# Altium PCB Mother.PcbDoc
Units mm, origin at the board's own origin, x right, y up, seen from the top; angles counter-clockwise.
Board outline 134.57 x 79.98 mm, 2 copper layers (Top Layer, Bottom Layer); 111 components, 79 nets, 408 pads, 45 vias.
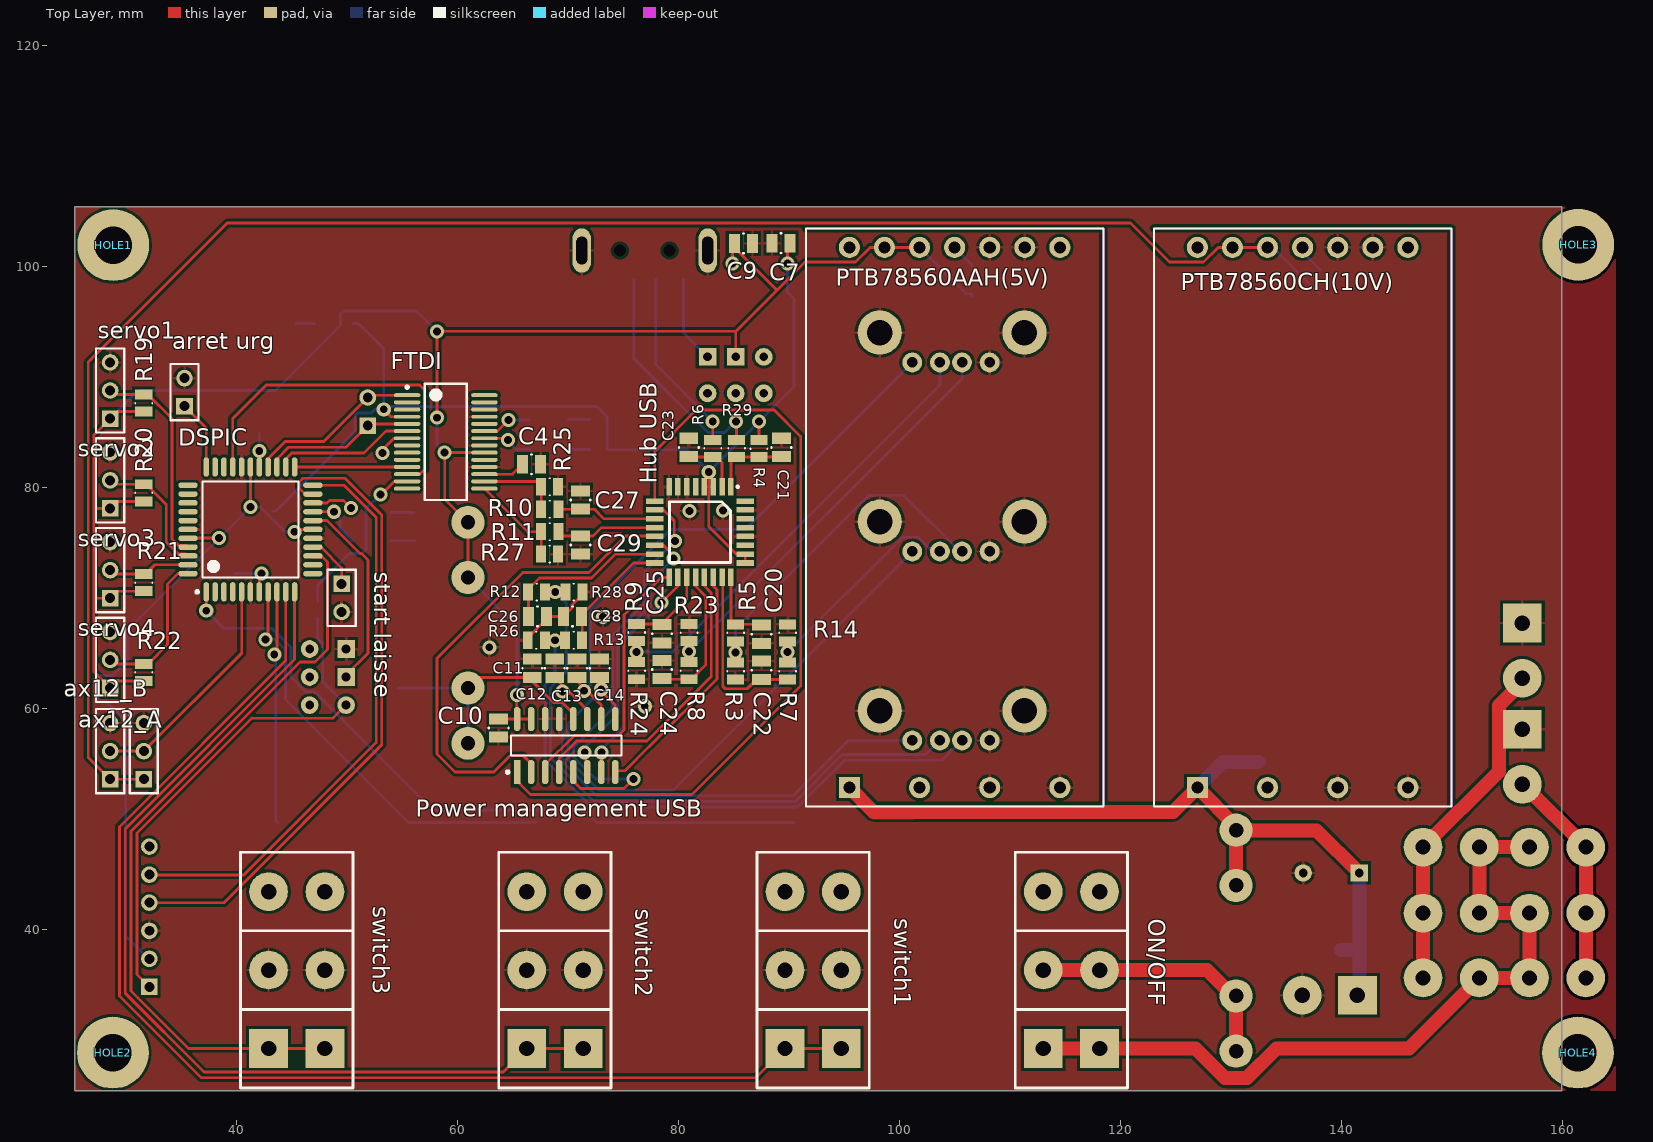
[diagram p0: Top Layer view]
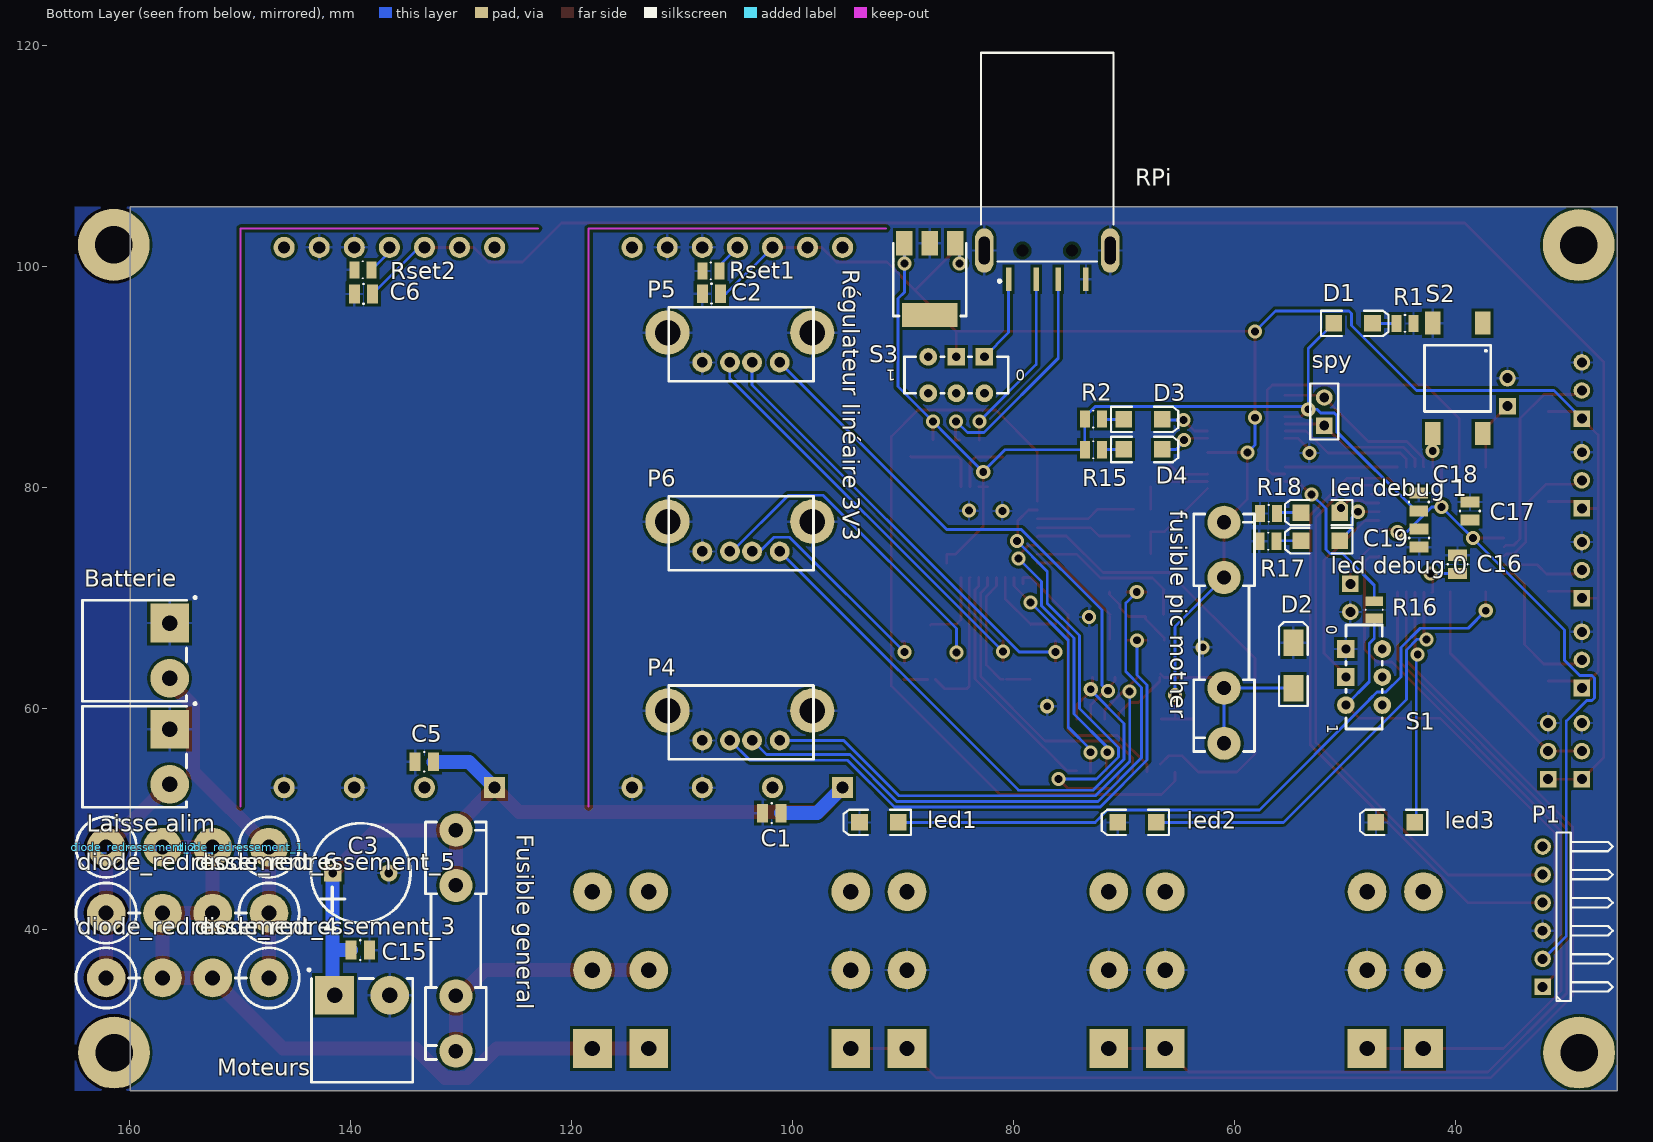
[diagram p1: Bottom Layer view, seen from below]

## Layer stack, top to bottom
Top Layer: signal copper 0.0356
Dielectric: core 0.32, FR-4, Dk 4.8
Bottom Layer: signal copper 0.0356

## Board outline
25.4,25.4 25.4,105.385 159.969,105.385 159.969,25.4

## Design rules (kind name [scope] priority, off if disabled: settings)
Clearance [All] p1: gap=0.254
Height [All] p1: minheight=0 maxheight=254 prefheight=12.7
HoleSize [All] p1: absolutevalues=TRUE maxlimit=3.556 minlimit=0.025 maxpercent=80.000 minpercent=20.000
MinimumSolderMaskSliver [All] p1: minsoldermaskwidth=0.025
PolygonConnect [All] p1: connectstyle=Relief reliefconductorwidth=0.254 reliefentries=4 polygonreliefangle="90 Angle"
RoutingVias [All] p1: holewidth=0.711 width=1.27 viastyle="Through Hole" minholewidth=0.711 minwidth=1.27 maxholewidth=0.711 maxwidth=1.27
SilkToSilkClearance [All] p1: silktosilkclearance=0.025
SilkscreenOverComponentPads [All] p1: minsilkscreentomaskgap=0.025
SolderMaskExpansion [All] p1: expansion=0.102
Width [All] p1: maxlimit=2.54 minlimit=0.254 preferedwidth=0.254 minimp=50.000000 maximp=50.000000 favimp=50.000000
23 further rules are at their usual default settings.

## Classes and differential pairs
component class U_mother1-pic: "arret urg" ax12_A ax12_B C4 C11 C16 C17 C18 C19 D2 D3 D4 DSPIC FTDI "fusible pic mother" led1 led2 led3 "led debug 0" "led debug 1" P1 R2 R15 R16 R17 R18 R19 R20 R21 R22 S1 S2 servo1 servo2 servo3 servo4 spy "start laisse" switch1 switch2 switch3
component class mother1: Batterie C1 C2 C3 C5 C6 C7 C9 C10 C12 C13 C14 C15 C20 C21 C22 C23 C24 C25 C26 C27 C28 C29 D1 diode_redressement_1 diode_redressement_2 diode_redressement_3 diode_redressement_4 diode_redressement_5 diode_redressement_6 "Fusible general" HOLE1 HOLE2 HOLE3 HOLE4 "Hub USB" "Laisse alim" Moteurs ON/OFF P4 P5 P6 "Power management USB" PTB78560AAH(5V) PTB78560CH(10V) R1 R3 R4 R5 R6 R7 R8 R9 R10 R11 R12 R13 R14 R23 R24 R25 R26 R27 R28 R29 RPi Rset1 Rset2 "Régulateur linéaire 3V3" S3

## Components (designator, comment, footprint, x,y, rotation, side; value= is the part's Value field where it differs from the comment)
"arret urg" "Header 2" HDR1X2 35.331,87.351 r90 top
ax12_A "Header 3" HDR1X3 28.6,53.594 r90 top
ax12_B "Header 3" HDR1X3 31.648,53.594 r90 top
Batterie "Bornier" "Bornier male coude 2 voies" 156.413,65.227 r270 bottom
C1 "CAP" C0805C 102.743,50.521 r180 bottom
C2 "CAP" C0805C 106.553,97.536 r0 bottom
C3 "CAP POL" RB.2/.4 141.656,45.11 r0 bottom
C4 "CAP" C0805C 65.913,82.093 r0 top
C5 "CAP" C0805C 134.188,55.169 r180 bottom
C6 "CAP" C0805C 138.049,97.511 r0 bottom
C7 "CAP" C0805C 88.494,102.108 r0 top
C9 "CAP" C0805C 85.09,102.083 r0 top
C10 "CAP" C0805C 63.754,59.055 r270 top
C11 "CAP" C0805C 66.802,64.465 r270 top
C12 "CAP" C0805C 68.834,64.465 r270 top
C13 "CAP" C0805C 70.866,64.465 r270 top
C14 "CAP" C0805C 72.898,64.465 r270 top
C15 "CAP" C0805C 138.328,38.125 r0 bottom
C16 "CAP" C0805C 39.853,73.863 r270 bottom
C17 "CAP" C0805C 38.735,78.689 r270 bottom
C18 "CAP" C0805C 43.358,79.502 r270 bottom
C19 "CAP" C0805C 43.332,74.6 r90 bottom
C20 "CAP" C0805C 87.555,67.538 r270 top
C21 "CAP" C0805C 89.357,82.801 r90 top
C22 "CAP" C0805C 87.555,62.636 r90 top
C23 "CAP" C0805C 80.975,82.801 r90 top
C24 "CAP" C0805C 78.548,64.339 r270 top
C25 "CAP" C0805C 78.548,65.941 r90 top
C26 "CAP" C0805C 68.097,68.326 r180 top
C27 "CAP" C0805C 71.171,78.029 r90 top
C28 "CAP" C0805C 69.621,68.326 r0 top
C29 "CAP" C0805C 71.171,73.965 r90 top
D1 "LED2" LED1206G 49.301,94.844 r180 bottom
D2 "5.6V" DSO-C2/X1.8 54.712,63.881 r90 bottom
D3 "LED" LED1206Y 68.326,86.157 r180 bottom
D4 "LED" LED1206Y 68.326,83.439 r180 bottom
diode_redressement_1 "Diode" "Axial1.3 Vert" 147.422,47.447 r0 bottom
diode_redressement_2 "Diode" "Axial1.3 Vert" 162.154,47.447 r180 bottom
diode_redressement_3 "Diode" "Axial1.3 Vert" 147.422,35.611 r0 bottom
diode_redressement_4 "Diode" "Axial1.3 Vert" 162.154,35.611 r180 bottom
diode_redressement_5 "Diode" "Axial1.3 Vert" 147.422,41.478 r0 bottom
diode_redressement_6 "Diode" "Axial1.3 Vert" 162.154,41.478 r180 bottom
DSPIC "DSPIC33FJ64MC804-I/PT" TQFP-PT44_N 41.3,76.2 r90 top
FTDI "FT232RL" SSOP-28_M 58.979,84.125 r0 top
"Fusible general" "Fuse" "Fuse Holder 5x20mm" 130.505,28.981 r90 bottom
"fusible pic mother" "Fuse" "Fuse Holder 5x20mm" 60.985,56.845 r90 bottom
HOLE1 "Hole" SCREW 28.88,101.93 r0 top
HOLE2 "Hole" SCREW 28.854,28.854 r0 top
HOLE3 "Hole" SCREW 161.468,101.956 r90 top
HOLE4 "Hole" SCREW 161.442,28.854 r180 top
"Hub USB" "TUSB2046BVF" TUSB2046BVF 84.785,80.061 r270 top
"Laisse alim" "Bornier" "Bornier male coude 2 voies" 156.413,55.626 r270 bottom
led1 "LED" LED1206G 92.227,49.682 r0 bottom
led2 "LED" LED1206G 68.859,49.682 r0 bottom
led3 "LED" LED1206G 45.491,49.682 r0 bottom
"led debug 0" "LED" LED1206R 52.273,75.184 r0 bottom
"led debug 1" "LED" LED1206R 52.273,77.724 r0 bottom
Moteurs "Bornier" "Bornier male coude 2 voies" 138.989,34.036 r180 bottom
ON/OFF "Switch slide 2 pos" "Switch sur cosses 5.08mm" 115.595,36.322 r0 top
P1 "PICkit" HDR1X6H 32.156,34.798 r90 bottom
P4 "USB" "USB SM female vertical" 104.699,57.099 r0 bottom
P5 "USB" "USB SM female vertical" 104.699,91.313 r0 bottom
P6 "USB" "USB SM female vertical" 104.699,74.206 r0 bottom
"Power management USB" "TPS2044" TPS2044 69.875,56.642 r90 top
PTB78560AAH(5V) "PTB78560x" PTB78560x 95.504,52.832 r90 top
PTB78560CH(10V) "PTB78560x" PTB78560x 127,52.832 r90 top
R1 "RES" C0805R 43.84,94.844 r0 bottom
R2 "RES" C0805R 72.034,86.182 r0 bottom
R3 "RES" C0805R 85.202,62.613 r90 top
R4 "RES" C0805R 87.325,82.751 r90 top
R5 "RES" C0805R 85.202,67.615 r270 top
R6 "RES" C0805R 83.134,84.301 r270 top
R7 "RES" C0805R 89.916,62.611 r90 top
R8 "RES" C0805R 81.001,62.639 r90 top
R9 "RES" C0805R 76.251,67.641 r270 top
R10 "RES" C0805R 67.615,78.029 r0 top
R11 "RES" C0805R 67.615,75.997 r0 top
R12 "RES" C0805R 67.973,70.536 r180 top
R13 "RES" C0805R 69.771,66.167 r0 top
R14 "RES" C0805R 89.916,67.613 r270 top
R15 "RES" C0805R 72.034,83.414 r0 bottom
R16 "RES" C0805R 47.396,69.698 r270 bottom
R17 "RES" C0805R 56.236,75.133 r0 bottom
R18 "RES" C0805R 56.185,77.648 r0 bottom
R19 "RES" C0805R 31.648,86.868 r90 top
R20 "RES" C0805R 31.648,78.74 r90 top
R21 "RES" C0805R 31.648,70.612 r90 top
R22 "RES" C0805R 31.648,62.484 r90 top
R23 "RES" C0805R 81.001,66.091 r90 top
R24 "RES" C0805R 76.251,64.189 r270 top
R25 "RES" C0805R 69.139,80.061 r180 top
R26 "RES" C0805R 66.397,66.167 r0 top
R27 "RES" C0805R 69.139,73.965 r180 top
R28 "RES" C0805R 71.347,70.536 r180 top
R29 "RES" C0805R 85.293,84.301 r270 top
RPi "USB" "USB SM2.5 Male" 76.987,104.14 r90 bottom
Rset1 "RES" C0805R 108.204,99.593 r180 bottom
Rset2 "RES" C0805R 139.7,99.695 r180 bottom
"Régulateur linéaire 3V3" "LM2937IMP-3.3" SOT223 85.316,102.108 r0 bottom
S1 "SW-DPDT/Reset" MCLSS22 49.962,62.84 r270 bottom
S2 "SPST-NO" SPST-NO 37.592,94.869 r0 bottom
S3 "SW-DPDT/Reset" MCLSS22 85.217,91.821 r0 bottom
servo1 "Header 3" HDR1X3 28.6,86.233 r90 top
servo2 "Header 3" HDR1X3 28.6,78.105 r90 top
servo3 "Header 3" HDR1X3 28.6,69.977 r90 top
servo4 "Header 3" HDR1X3 28.6,61.849 r90 top
spy "Header 2" HDR1X2 51.918,85.598 r90 bottom
"start laisse" "Header 2" HDR1X2 49.555,71.272 r270 top
switch1 "Switch slide 2 pos" "Switch sur cosses 5.08mm" 92.227,36.322 r0 top
switch2 "Switch slide 2 pos" "Switch sur cosses 5.08mm" 68.859,36.322 r0 top
switch3 "Switch slide 2 pos" "Switch sur cosses 5.08mm" 45.491,36.322 r0 top

## Footprints (in the part's own frame and the unit in brackets; to place one, negate y for a bottom-side part, rotate by r counter-clockwise, add the part's x,y. Pads: shape width x height; smd on the part's side, far side on the other; paste and mask are expansions set on the pad)
"Axial1.3 Vert" [mm] "Vertical Axial Lead ; Diode : DO-201AD ; 5mm radius, 1.25mm leads"
  round 3.5 hole 1.35: 1(0,0) 2(5.1,0)
  silkscreen extent -2.74,-2.74 3.05,2.74, body extent -2.8,-2.8 5.74,2.8, height 15.69
"Bornier male coude 2 voies" [mm] "Bornier male coude 2 voies 12A. Pas 5mm (model : CTB9350/2A) -- 3D FAUSSE"
  rect 3.5x3.5 hole 1.4: 1(-2.5,0)
  round 3.5 hole 1.4: 2(2.5,0)
  silkscreen extent -4.9,-7.87 4.57,2.41, body extent -4.2,-7.93 4.2,1.27, height 7.25
C0805C [mm]
  rect 1x1.7 smd: 1(0,0) 2(1.65,0)
  silkscreen extent 0.8,-0.89 0.85,0.89, body extent -0.21,-0.61 1.79,0.64, height 0.78
C0805R [mm]
  rect 0.9x1.55 smd: 1(0,0) 2(1.55,0)
  silkscreen extent 0.73,-0.76 0.81,0.76, body extent -0.24,-0.62 1.76,0.63, height 0.78
DSO-C2/X1.8 [mm] "Diode; DO-214-AC/SMA; 2 C-Bend Leads; Body 5 x 2.7 mm, inc. leads (LxW)"
  rect 2.4x1.8 smd: A(2.05,0) K(-2.05,0)
  silkscreen extent -3.65,-1.3 3.95,1.3, body extent -2.74,-1.4 2.74,1.4, height 2.28
"Fuse Holder 5x20mm" [mm] "Schurter Fuse Holder 0751.0110"
  round 3 hole 1.3: 1(0,0) 1(5,0) 2(15,0) 2(20,0)
  silkscreen extent -0.75,-2.75 20.75,2.75, body extent -0.51,-3.1 20.58,3.1, height 9.86
HDR1X2 [mm] "Connector; Header; 2 Position"
  rect 1.5x1.5 hole 0.9: 1(0,0)
  round 1.5 hole 0.9: 2(2.54,0)
  silkscreen extent -1.27,-1.27 3.81,1.27
HDR1X3 [mm] "Connector; Header; 3 Position"
  rect 1.5x1.5 hole 0.9: 1(0,0)
  round 1.5 hole 0.9: 2(2.54,0) 3(5.08,0)
  silkscreen extent -1.27,-1.27 6.35,1.27
HDR1X6H [mm] "Connector; Header; 6 Position; Right Angle"
  rect 1.5x1.5 hole 0.9: 1(0,0)
  round 1.5 hole 0.9: 2(2.54,0) 3(5.08,0) 4(7.62,0) 5(10.16,0) 6(12.7,0)
  silkscreen extent -1.27,-6.35 13.97,-1.27, body extent -1.17,-5.85 13.87,1.25, height 5.42
LED1206G [mm] "SMT LED; 2 Flat Leads; 3.2X1.6X1.1"
  rect 1.5x1.5 smd: 1(-1.75,0) 2(1.75,0)
  silkscreen extent -2.9,-1.15 3.2,1.15, body extent -1.6,-0.8 1.6,0.8, height 1.11
LED1206R [mm] "SMT LED; 2 Flat Leads; 3.2X1.6X1.1"
  rect 1.5x1.5 smd: 1(-1.75,0) 2(1.75,0)
  silkscreen extent -2.9,-1.15 3.2,1.15, body extent -1.6,-0.8 1.6,0.8, height 1.11
LED1206Y [mm] "SMT LED; 2 Flat Leads; 3.2X1.6X1.1"
  rect 1.5x1.5 smd: 1(-1.75,0) 2(1.75,0)
  silkscreen extent -2.9,-1.15 3.2,1.15, body extent -1.6,-0.8 1.6,0.8, height 1.11
MCLSS22 [mm] "Slide Switch DPDT"
  rect 1.6x1.6 hole 0.8: 1(0,0) 2(-2.54,0)
  round 1.6 hole 0.8: 3(2.54,0) 4(0,3.3) 5(-2.54,3.3) 6(2.54,3.3)
  silkscreen extent -4.7,0 4.7,3.3, body extent -4.7,-2 4.7,3.3, height 3.5
PTB78560x [mm] "PTB78560x Texas Instruments Regulator"
  rect 1.905x1.905 hole 1.1: 1(0,0)
  round 1.905 hole 1.1: 2(0,-6.35) 3(0,-12.7) 4(0,-19.05) 5(48.895,-19.05) 6(48.895,-15.875) 7(48.895,-12.7) 8(48.895,-9.525) 9(48.895,-6.35) 10(48.895,-3.175) 11(48.895,0)
  Keep-Out Layer lines w0.2: 50.609,3.937 50.609,-22.987 -1.714,-22.987
  silkscreen extent -1.71,-22.99 50.61,3.94, body extent -1.71,-22.99 50.61,3.94, height 10
RB.2/.4 [mil]
  rect 62x62 hole 31.5: 1(0,0)
  round 62 hole 31.5: 2(-200,0)
  silkscreen extent -277,-177 77,177, body extent -298,-194 95,200, height 650
SCREW [mm] "Mounting Hole M3"
  round 6.5 hole 3.4: 1(0,0)
  body extent -2.89,-2.52 2.89,2.52, height 10
SOT223 [mm]
  rect 1.5x2.2 smd: 1(0,0) 2(2.3,0) 3(4.6,0)
  rect 5x2.2 smd: ""(2.3,6.5)
  silkscreen extent -1,0 5.6,6.6, body extent -0.95,-0.2 5.55,6.8, height 1.64
SPST-NO [mm] "Tactile Switch SPST-NO 6x6mm"
  rect 1.4x2.1 smd: 1(0,0) 2(4.5,0) 3(4.5,10) 4(0,10)
  silkscreen extent -0.75,2 5.25,8, body extent -0.75,0.93 5.25,9.08, height 5
SSOP-28_M [mm] "SOP, 28-Leads, Body 10.2x5.3mm, Pitch 0.65mm, IPC Low Density"
  oval 2.4x0.35 smd: 1(-3.5,4.225) 2(-3.5,3.575) 3(-3.5,2.925) 4(-3.5,2.275) 5(-3.5,1.625) 6(-3.5,0.975) 7(-3.5,0.325) 8(-3.5,-0.325) 9(-3.5,-0.975) 10(-3.5,-1.625) 11(-3.5,-2.275) 12(-3.5,-2.925) 13(-3.5,-3.575) 14(-3.5,-4.225) 15(3.5,-4.225) 16(3.5,-3.575) 17(3.5,-2.925) 18(3.5,-2.275) 19(3.5,-1.625) 20(3.5,-0.975) 21(3.5,-0.325) 22(3.5,0.325) 23(3.5,0.975) 24(3.5,1.625) 25(3.5,2.275) 26(3.5,2.925) 27(3.5,3.575) 28(3.5,4.225)
  silkscreen extent -3.62,-5.25 1.9,5.25, body extent -3.91,-5.1 3.91,5.1, height 1.98
"Switch sur cosses 5.08mm" [mm] "Crimp Faston CI 5.08mm model : AMP - 1217080-1"
  rect 3.5x3.5 hole 1.4: 1(-2.55,-7.1) 1(2.55,-7.1)
  round 3.5 hole 1.4: 2(-2.55,7.1) 2(2.55,7.1) 3(-2.55,0) 3(2.55,0)
  silkscreen extent -5.08,-10.67 5.08,10.67, body extent -11.5,-11 11.5,12, height 29.34
TPS2044 [mm] "Power distribution USB"
  rect 2.2x0.6 smd: 1(-2.4,4.445)
  oval 2.2x0.6 smd: 2(-2.4,3.175) 3(-2.4,1.905) 4(-2.4,0.635) 5(-2.4,-0.635) 6(-2.4,-1.905) 7(-2.4,-3.175) 8(-2.4,-4.445) 9(2.4,-4.445) 10(2.4,-3.175) 11(2.4,-1.905) 12(2.4,-0.635) 13(2.4,0.635) 14(2.4,1.905) 15(2.4,3.175) 16(2.4,4.445)
  silkscreen extent -2.52,-5 0.9,5.42, body extent -3,-5.1 3,5.1, height 1.7
TQFP-PT44_N [mm] "Thin QFP, 44-Leads, Body 10x10mm, Pitch 0.8mm, IPC Medium Density"
  oval 1.75x0.5 smd: 1(-5.65,4) 2(-5.65,3.2) 3(-5.65,2.4) 4(-5.65,1.6) 5(-5.65,0.8) 6(-5.65,0) 7(-5.65,-0.8) 8(-5.65,-1.6) 9(-5.65,-2.4) 10(-5.65,-3.2) 11(-5.65,-4) 23(5.65,-4) 24(5.65,-3.2) 25(5.65,-2.4) 26(5.65,-1.6) 27(5.65,-0.8) 28(5.65,0) 29(5.65,0.8) 30(5.65,1.6) 31(5.65,2.4) 32(5.65,3.2) 33(5.65,4)
  oval 0.5x1.75 smd: 12(-4,-5.65) 13(-3.2,-5.65) 14(-2.4,-5.65) 15(-1.6,-5.65) 16(-0.8,-5.65) 17(0,-5.65) 18(0.8,-5.65) 19(1.6,-5.65) 20(2.4,-5.65) 21(3.2,-5.65) 22(4,-5.65) 34(4,5.65) 35(3.2,5.65) 36(2.4,5.65) 37(1.6,5.65) 38(0.8,5.65) 39(0,5.65) 40(-0.8,5.65) 41(-1.6,5.65) 42(-2.4,5.65) 43(-3.2,5.65) 44(-4,5.65)
  silkscreen extent -5.77,-4.35 4.35,4.95, body extent -6,-6 6,6, height 1.05
TUSB2046BVF [mil] "TI 4-Port USB Hub"
  rect 63x19.7 smd: 1(0,0) 2(0,-31.5) 3(0,-63) 4(0,-94.5) 5(0,-125.9) 6(0,-157.4) 7(0,-188.9) 8(0,-220.4) 17(322.8,-220.4) 18(322.8,-188.9) 19(322.8,-157.4) 20(322.8,-125.9) 21(322.8,-94.5) 22(322.8,-63) 23(322.8,-31.5) 24(322.8,0)
  rect 19.7x63 smd: 9(51.2,-271.6) 10(82.7,-271.6) 11(114.2,-271.6) 12(145.7,-271.6) 13(177.1,-271.6) 14(208.6,-271.6) 15(240.1,-271.6) 16(271.6,-271.6) 25(271.6,51.2) 26(240.1,51.2) 27(208.6,51.2) 28(177.1,51.2) 29(145.7,51.2) 30(114.2,51.2) 31(82.7,51.2) 32(51.2,51.2)
  silkscreen extent -4,-218 270,28, body extent -16,-287 339,67, height 59
"USB SM2.5 Male" [mm] "USB/SM2.5-4H4; Male USB Connector; USB1.1, Type A, SM; 4 Position; Right Angle"
  rect 2.1x0.5 smd: 1(-5.3,3.5) 2(-5.3,1) 3(-5.3,-1) 4(-5.3,-3.5)
  oval 4x1.65 hole 1 slot 2.5 at 0 deg: 5(-2.7,-5.7) 6(-2.7,5.7)
  round 0.8 hole 1.1 unplated: MH1(-2.7,-2.25) MH2(-2.7,2.25)
  silkscreen extent -5.58,-6 15.2,6, body extent -3.5,-6 14.83,6, height 4.5
"USB SM female vertical" [mm] "USB SM female vertical"
  round 1.8 hole 0.95: 1(-3.5,0) 2(-1,0) 3(1,0) 4(3.5,0)
  round 4 hole 2.3: 5(6.65,-2.7) 6(-6.45,-2.7)
  silkscreen extent -6.55,-4.99 6.55,1.7, body extent -7.99,-4.99 7.99,2.65, height 13.75

## Part data
"arret urg" spy "start laisse": "Header, 2-Pin"
ax12_A ax12_B servo1 servo2 servo3 servo4: "Header, 3-Pin"
Batterie "Laisse alim" Moteurs: library part "Header 2", "Header, 2-Pin"
C1 C2 C4 C5 C6 C7 C9 C10 C11 C12 C13 C14 C15 C16 C17 C18 C19 C20 C21 C22 C23 C24 C25 C26 C27 C28 C29: "Capacitor"
C3: "Polarized Capacitor"
D1 led1 led2 led3: "Typical RED, GREEN, YELLOW, AMBER GaAs LED"
D2: library part ZENER, "Zener Diode"
D3 D4 "led debug 0" "led debug 1": library part LED2, "Typical RED, GREEN, YELLOW, AMBER GaAs LED"
diode_redressement_1 diode_redressement_2 diode_redressement_3 diode_redressement_4 diode_redressement_5 diode_redressement_6: "Default Diode"
DSPIC: "High-Performance 16-bit Digital Signal Controller, 64 KB Flash, 16 KB RAM, 44-Pin TQFP, Industrial Temperature"
FTDI: "USB UART Asynchronous Serial Data Transfer Chip, SSOP-28, Tube"
"Fusible general" "fusible pic mother": library part FUSE
HOLE1 HOLE2 HOLE3 HOLE4: "Mounting Hole for screws"
"Hub USB": "TI 4-Port USB Hub"
ON/OFF switch1 switch2 switch3: library part "Switch slide On/Off", "Switch slide 2 positions"
P1: library part "Header ICSP", "Header, 6-Pin, Right Angle"
P4 P5 P6 RPi: library part "USB Con", "USB Connector"
"Power management USB": "Power distribution USB"
PTB78560AAH(5V) PTB78560CH(10V): "Texas Instruments Regulators"
R1 R2 R3 R4 R5 R6 R7 R8 R9 R10 R11 R12 R13 R14 R15 R16 R17 R18 R19 R20 R21 R22 R23 R24 R25 R26 R27 R28 R29 Rset1 Rset2: "Resistor"
"Régulateur linéaire 3V3": "500 mA Low Dropout Regulator"
S1 S3: library part SW-DPDT, "Double-Pole, Double-Throw Switch, ref MCLSS22"
S2: "Tactile Switch 7.3mm, SMD"

## Via types
v1: diameter 1.27, hole 0.711, Top Layer to Bottom Layer, 45 vias

## Nets (pads, with @x,y where several pads share a name; then routed paths per layer and width w, separated by ;. In a path a pad name is that pad's centre, name@x,y a point inside that pad or via, vN(x,y) a via of type N, cw(c..) or ccw(c..) an arc to the next point about the centre after c; other vN are vias at no path point)
+3V3: "Hub USB.3" "Hub USB.4" "Hub USB.25" "Hub USB.26" "Régulateur linéaire 3V3.3" C7.2 C17.2 C18.2 C19.2 D1.1 DSPIC.17 DSPIC.28 DSPIC.40 FTDI.4 P1.2 R2.2 R4.2 R15.2 | length 162.2
  Top Layer w0.254: DSPIC.40@35.663,75.413 v1(38.456,75.413) ; v1(41.3,78.232) DSPIC.28 ; v1(45.299,75.984) 45.515,76.2 DSPIC.17 ; v1(53.365,87.071) 54.037,86.4 FTDI.4 ; 82.385,80.061 83.185,80.061 ; 82.779,80.112 v1(82.779,81.407) ; 82.829,80.061 82.779,80.01 82.779,76.454 85.27,73.962 86.086,73.962 86.086,73.162 ; R4.2 v1(87.325,85.979) ; v1(89.916,100.279) 89.916,100.127 C7.2@89.916,101.88
  Bottom Layer w0.254: P1.2@32.118,37.3 30.009,39.409 30.009,58.864 28.156,60.718 27.693,60.718 27.469,60.941 27.469,62.757 27.693,62.98 28.791,62.98 30.175,64.364 30.175,67.107 38.456,75.387 v1(38.456,75.413) 39.116,76.073 39.141,76.073 v1@41.123,78.054 ; v1@41.377,77.8 v1@41.3,77.876 ; C18.2 43.597,77.852 50.787,85.042 50.787,86.506 51.01,86.729 52.235,86.729 52.577,87.071 v1(53.365,87.071) ; v1(45.299,75.984) 44.437,75.984 42.189,78.232 v1(41.3,78.232) ; D1.1@50.589,94.844 51.079,94.844 53.365,92.558 v1(53.365,87.071) ; v1@53.518,86.919 v1(53.365,87.071) ; 89.916,102.108 89.916,100.127 89.916,97.67 90.497,97.089 90.497,89.125 v1(82.779,81.407) 82.779,81.458 80.823,83.414 R15.2 R2.2 73.584,86.396 72.642,87.338 53.632,87.338 v1(53.365,87.071) ; v1@41.123,78.054 v1(41.3,78.232) ; v1@41.123,78.054 v1@41.3,77.876 ; v1@41.3,77.876 v1(41.3,78.232)
+5V0: "fusible pic mother.2" "Power management USB.15" "Power management USB.16" "Régulateur linéaire 3V3.1" C2.1 C9.1 C10.1 FTDI.20 PTB78560AAH(5V).9 PTB78560AAH(5V).10 R19.1 R20.1 R21.1 R22.1 S3.1 servo1.1 servo2.1 servo3.1 servo4.1 | length 182.9
  Top Layer w0.254: 27.178,69.977 servo3.1 ; 27.178,78.105 servo2.1 ; servo4.1 27.127,63.322 27.127,84.76 servo1.1 ; servo4.1@29.235,62.484 R22.1 ; servo3.1@29.235,70.612 R21.1 ; servo2.1@29.235,78.74 R20.1 ; servo1.1@29.235,86.868 R19.1 ; v1(58.191,86.309) v1(58.191,94.127) 85.166,94.127 ; v1@58.877,83.033 58.877,78.953 60.985,76.845 ; v1(58.877,83.15) FTDI.20 ; 60.985,71.921 60.985,76.845 ; 60.985,76.921 60.985,76.845 ; C10.1 65.417,59.055 ; v1(65.405,61.214) 65.405,59.067 65.43,59.042 66.7,59.042 ; v1(84.938,100.279) 84.938,100.127 C9.1@84.938,101.93 ; C9.1 85.09,101.702 88.951,97.841 ; S3.1 85.217,94.107 88.951,97.841 ; 101.854,101.727 98.679,101.727 97.39,101.727 96.056,100.393 91.504,100.393 88.951,97.841
  Bottom Layer w0.254: servo1.1 31.127,88.76 43.573,88.76 49.458,94.645 49.458,95.751 49.682,95.975 56.324,95.975 v1@58.181,94.117 ; v1(58.191,86.309) 58.191,83.836 v1(58.877,83.15) ; 60.985,71.845 65.43,67.4 v1@65.43,61.214 ; v1(84.938,100.279) 84.938,100.127 84.938,101.73 ; 101.854,101.727 106.045,97.536 C2.1 C2.1@106.553,97.297
+10V0: ax12_A.1 ax12_B.1 C6.1 PTB78560CH(10V).9 PTB78560CH(10V).10 | length 162
  Top Layer w0.254: ax12_B.1 ax12_A.1 26.619,55.575 26.619,91.338 39.203,103.922 120.944,103.922 124.473,100.393 127.552,100.393 128.886,101.727 130.175,101.727 133.35,101.727
  Bottom Layer w0.254: 133.35,101.727 133.833,101.727 C6.1
+30V: "Fusible general.2" C1.2 C3.1 C5.2 C15.2 Moteurs.1 PTB78560AAH(5V).1 PTB78560CH(10V).1 | length 80.7
  Top Layer w0.254: 127,52.832 127.102,52.832 ; 130.505,48.971 130.505,49.327
  Top Layer w1.27: 95.504,52.832 97.699,50.637 124.805,50.637 127,52.832 130.505,49.327 ; 130.505,43.981 130.505,47.356 ; 130.505,48.971 137.795,48.971 C3.1
  Bottom Layer w0.254: Moteurs.1 Moteurs.1@141.656,34.203
  Bottom Layer w1.27: 95.504,52.832 97.815,50.521 C1.2 ; 127,52.832 129.337,55.169 C5.2 ; C15.2 141.656,38.125 ; Moteurs.1@141.656,34.203 141.656,38.125 ; C3.1 141.656,38.125
"ARRET URG": "arret urg.1" DSPIC.33 | length 6.3
  Top Layer w0.254: 35.331,87.351 37.3,85.382 DSPIC.33
CLK12: DSPIC.30 FTDI.12 | length 32.2
  Top Layer w0.254: DSPIC.30 39.7,86.248 42.734,89.281 56.617,89.281 57.074,88.824 57.074,81.634 56.644,81.204 FTDI.12@55.483,81.204
D+: FTDI.15 R11.1 R27.2 | length 8.8
  Top Layer w0.254: FTDI.15 66.382,75.997 R11.1 R27.2@67.615,73.991
D-: FTDI.16 R10.1 R25.2 | length 6.6
  Top Layer w0.254: FTDI.16 67.1,80.55 ; R10.1 R25.2@67.615,80.035
"DATA AX12": ax12_A.2 ax12_B.2 DSPIC.5 | length 21.1
  Top Layer w0.254: ax12_A.2 ax12_B.2 40.513,64.999 40.513,70.537 DSPIC.5
"DATA SERVO1": DSPIC.41 R19.2 servo1.2 | length 18.8
  Top Layer w0.254: servo1.2@28.955,88.418 R19.2 32.003,88.418 34.188,86.233 34.188,75.345 34.764,74.769 35.481,74.769 DSPIC.41
"DATA SERVO2": DSPIC.42 R20.2 servo2.2 | length 11.4
  Top Layer w0.254: servo2.2@28.955,80.29 R20.2 31.862,80.29 33.68,78.472 33.68,75.053 34.764,73.969 35.481,73.969 DSPIC.42
"DATA SERVO3": DSPIC.43 R21.2 servo3.2 | length 7
  Top Layer w0.254: servo3.2@28.955,72.162 31.801,72.162 32.639,73 DSPIC.43
"DATA SERVO4": DSPIC.44 R22.2 servo4.2 | length 13.3
  Top Layer w0.254: servo4.2@28.955,64.034 32.055,64.034 33.807,65.786 33.807,71.247 34.76,72.2 DSPIC.44
DM0: R6.1 RPi.2 | length 16.4
  Top Layer w0.254: R6.1 v1@83.134,85.674
  Bottom Layer w0.254: RPi.2 77.987,91.126 v1(83.134,85.979)
DM2: P4.2 R12.1 R28.2 | length 57
  Top Layer w0.254: R12.1 v1(68.885,70.536) R28.2
  Bottom Layer w0.254: v1(68.885,70.536) 69.875,69.545 69.875,63.316 68.453,61.894 68.453,55.539 72.405,51.587 90.609,51.587 94.84,55.818 102.402,55.818 103.683,57.099 P4.2
DM3: P5.2 R9.2 R24.1 | length 41.4
  Top Layer w0.254: R24.1 v1(76.251,65.1) R9.2
  Bottom Layer w0.254: v1(76.251,65.1) 79.524,65.1 103.699,89.275 P5.2
DM4: P6.2 R7.2 R14.2 | length 20.7
  Top Layer w0.254: R7.2 v1(89.916,65.1) R14.2 R14.2@90.13,66.063
  Bottom Layer w0.254: v1(89.916,65.1) 100.303,75.487 101.729,75.487 103.01,74.206 P6.2
DP0: R29.1 RPi.3 | length 21.4
  Top Layer w0.254: R29.1@84.898,84.301 R29.1 v1@85.293,85.674
  Bottom Layer w0.254: RPi.3 75.987,91.689 82.713,84.963 84.214,84.963 v1(85.23,85.979)
DP2: P4.3 R13.1 R26.2 | length 55.1
  Top Layer w0.254: R26.2 v1(68.859,66.167) R13.1
  Bottom Layer w0.254: v1(68.859,66.167) 68.859,63.019 67.945,62.104 67.945,55.329 72.194,51.079 90.819,51.079 95.05,55.31 103.9,55.31 105.689,57.099 P4.3 P4.3@105.689,57.09
DP3: P5.3 R8.2 R23.1 | length 38.1
  Top Layer w0.254: R8.2 v1(81.001,65.14) R23.1
  Bottom Layer w0.254: v1(81.001,65.14) 105.715,89.854 105.715,90.611 P5.3@106.058,90.954
DP4: P6.3 R3.2 R5.2 | length 31.7
  Top Layer w0.254: R3.2 v1(85.202,65.075) R5.2
  Bottom Layer w0.254: v1@85.228,65.049 v1(85.202,65.075) 85.202,67.227 97.263,79.287 100.429,79.287 105.51,74.206 P6.3
FLUSH: DSPIC.24 FTDI.6 | length 12.7
  Top Layer w0.254: DSPIC.24 44.5,82.567 45.042,83.109 51.587,83.109 53.578,85.1 FTDI.6
GND: "arret urg.2" "Hub USB.6" "Hub USB.7" "Hub USB.8" "Hub USB.28" "Hub USB.31" "Laisse alim.1" "Power management USB.13" "Power management USB.14" "Régulateur linéaire 3V3.2" "start laisse.2" ax12_A.3 ax12_B.3 Batterie.1 C1.1 C2.2 C3.2 C4.2 C5.1 C6.2 C7.1 C9.2 C10.2 C11.1 C12.1 C13.1 C14.1 C15.1 C16.1 C17.1 C18.1 C19.1 C20.2 C21.2 C22.2 C23.2 C24.1 C25.1 C26.1 C27.2 C28.1 C29.1 D2.A DSPIC.6 DSPIC.16 DSPIC.29 DSPIC.39 FTDI.7 FTDI.18 FTDI.21 FTDI.25 FTDI.26 led1.2 led2.2 led3.2 Moteurs.2 P1.3 P4.4 P4.5 P4.6 P5.4 P5.5 P5.6 P6.4 P6.5 P6.6 PTB78560AAH(5V).3 PTB78560AAH(5V).4 PTB78560AAH(5V).6 PTB78560AAH(5V).7 PTB78560CH(10V).3 PTB78560CH(10V).4 PTB78560CH(10V).6 PTB78560CH(10V).7 R1.1 R3.1 R14.1 R17.2 R18.2 R23.2 R24.2 R25.1 R26.1 R27.1 R28.1 RPi.4 RPi.5 RPi.6 Rset1.1 Rset2.1 S1.2 S2.2 servo1.3 servo2.3 servo3.3 servo4.3 switch1.3 switch2.3 switch3.3 | length 10.3
  Top Layer w0.254: v1(53.264,83.109) 53.264,83.414 54.3,84.45 FTDI.7 ; R26.1 66.397,66.387 68.097,68.087 C26.1 C28.1 70.39,69.095 70.39,69.366 71.347,70.322 R28.1
  other v1: 76.987,60.198 62.916,65.532 73.203,68.275 81.051,77.876 84.074,77.902
GPIO: FTDI.13 R16.1 | length 15.6
  Top Layer w0.254: v1(53.061,79.375) 53.137,79.375 54.312,80.55 FTDI.13
  Bottom Layer w0.254: R16.1 47.396,71.152 50.26,74.016 51.394,74.016 51.765,74.387 51.765,78.08 v1(53.061,79.375)
LED1: DSPIC.1 led1.1 | length 64.4
  Top Layer w0.254: v1(37.3,68.846) DSPIC.1
  Bottom Layer w0.254: v1(37.3,68.846) 38.887,67.259 43.227,67.259 44.983,65.503 44.983,62.848 46.351,61.481 47.151,61.481 47.843,60.789 47.843,60.748 57.778,50.813 71.517,50.813 72.648,49.682 led1.1
LED2: DSPIC.8 led2.1 | length 38.3
  Top Layer w0.254: v1(42.672,66.243) 42.9,66.472 DSPIC.8
  Bottom Layer w0.254: v1(42.672,66.243) 42.697,66.269 43.499,66.269 44.475,65.292 44.475,60.816 55.609,49.682 led2.1
LED3: DSPIC.9 led3.1 | length 21.1
  Top Layer w0.254: v1(43.459,64.872) 43.7,65.113 DSPIC.9
  Bottom Layer w0.254: v1(43.459,64.872) 43.586,64.745 43.586,49.837 led3.1
MCLR: P1.1 R16.2 S1.3 | length 47
  Top Layer w0.254: P1.1 31.025,35.929 31.025,48.715 41.441,59.13 ; 41.453,59.119 48.781,59.119 S1.3
  Bottom Layer w0.254: R16.2 47.396,66.315 47.843,65.869 47.843,62.419 S1.3
NetBatterie_2: Batterie.2 diode_redressement_1.1 diode_redressement_3.1 diode_redressement_5.1 | length 30.8
  Top Layer w0.254: Batterie.2@156.413,62.388 Batterie.2
  Top Layer w1.27: diode_redressement_3.1 diode_redressement_5.1 diode_redressement_1.1 154.282,54.308 154.282,60.257 Batterie.2@156.413,62.388
NetC4_1: C4.1 FTDI.17 | length 3.8
  Top Layer w0.254: FTDI.17@62.496,81.217 FTDI.17 65.02,81.2 C4.1
NetC16_2: C16.2 DSPIC.7 | length 4.3
  Top Layer w0.254: DSPIC.7@42.164,70.486 DSPIC.7 42.1,71.996 v1(42.316,72.212)
  Bottom Layer w0.254: C16.2 v1(42.316,72.212) v1(42.316,72.212)
NetC20_1: "Hub USB.24" C20.1 R5.1 | length 6.7
  Top Layer w0.254: 84.785,71.862 84.785,68.032 R5.1 C20.1@87.402,67.615 ; C20.1@87.505,67.588 C20.1
NetC21_1: "Hub USB.1" C21.1 R4.1 R29.2 | length 7.1
  Top Layer w0.254: 84.785,80.061 84.785,82.474 85.062,82.751 R4.1 89.307,82.751 C21.1
NetC22_1: "Hub USB.23" C22.1 R7.1 | length 15.6
  Top Layer w0.254: 83.985,71.862 84.046,71.8 84.046,62.005 84.27,61.782 86.265,61.782 C22.1@87.119,62.636 ; C22.1@87.807,62.613 R7.1@89.978,62.613
NetC23_1: "Hub USB.2" C23.1 R6.2 | length 5.4
  Top Layer w0.254: C23.1@81.025,82.751 83.492,82.751 83.985,82.258 83.985,80.061
NetC24_2: "Hub USB.20" C24.2 R8.1 | length 12.5
  Top Layer w0.254: C24.2@78.521,62.639 R8.1@80.681,62.639 ; R8.1 81.214,62.639 82.499,63.924 82.499,70.155 81.587,71.067 81.587,71.862
NetC25_2: "Hub USB.19" C25.2 R9.1 | length 7.4
  Top Layer w0.254: R9.1 C25.2@78.421,67.641 ; C25.2@78.471,67.591 80.787,69.907 80.787,71.862
NetC26_2: "Hub USB.15" C26.2 R12.2 | length 15.1
  Top Layer w0.254: C26.2@66.473,68.504 66.473,70.7 66.423,70.75 67.466,71.793 72.158,71.793 74.327,73.962 77.887,73.962
NetC27_1: "Hub USB.11" C27.1 R10.2 | length 9.1
  Top Layer w0.254: R10.2 C27.1 72.441,78.029 73.309,77.16 77.887,77.16
NetC28_2: "Hub USB.16" C28.2 R13.2 | length 10.5
  Top Layer w0.254: C28.2@71.297,68.504 75.955,73.162 77.887,73.162 ; R13.2@71.321,66.294 C28.2@71.321,68.276
NetC29_2: "Hub USB.12" C29.2 R11.2 | length 8.6
  Top Layer w0.254: R11.2@69.547,75.615 C29.2 72.313,75.615 73.058,76.36 77.887,76.36
NetD1_2: D1.2 R1.2 | length 1.7
  Bottom Layer w0.254: R1.2 D1.2@47.089,94.844
NetD3_1: D3.1 R2.1 | length 1.9
  Bottom Layer w0.254: D3.1 R2.1@72.009,86.157
NetD4_1: D4.1 R15.1 | length 1.9
  Bottom Layer w0.254: D4.1 R15.1@72.009,83.439
Netdiode_redressement_1_2: diode_redressement_1.2 diode_redressement_2.2 diode_redressement_3.2 diode_redressement_4.2 diode_redressement_5.2 diode_redressement_6.2 ON/OFF.1 | length 69.8
  Top Layer w1.27: ON/OFF.1@113.045,29.222 126.836,29.222 129.515,26.543 131.47,26.543 134.163,29.235 146.146,29.235 diode_redressement_3.2 diode_redressement_4.2 diode_redressement_6.2 diode_redressement_5.2 diode_redressement_1.2 diode_redressement_2.2
Netdiode_redressement_2_1: "Laisse alim.2" diode_redressement_2.1 diode_redressement_4.1 diode_redressement_6.1 | length 19.9
  Top Layer w1.27: 156.475,53.126 diode_redressement_2.1 diode_redressement_6.1 diode_redressement_4.1
NetDSPIC_18: DSPIC.18 S1.1 | length 17.9
  Top Layer w0.254: DSPIC.18 48.222,77 51.206,74.016 51.348,74.016 51.943,73.42 51.943,64.999 49.962,63.018 S1.1
NetDSPIC_19: "led debug 0.1" DSPIC.19 | length 5.2
  Top Layer w0.254: DSPIC.19 v1(48.87,77.8)
  Bottom Layer w0.254: v1(48.87,77.8) 49.392,77.278 49.392,76.312 50.495,75.209 50.495,75.184 50.523,75.184
NetDSPIC_20: "led debug 1.1" DSPIC.20 | length 5.2
  Top Layer w0.254: DSPIC.20 48.233,78.6 48.449,78.816 49.727,78.816 v1(50.394,78.149)
  Bottom Layer w0.254: v1@50.523,77.724 v1@50.523,78.02 ; v1@50.523,78.204 v1@50.523,78.02 ; v1@50.523,78.02 v1(50.394,78.149) 50.571,77.772 50.571,77.971 v1@50.523,78.02
NetDSPIC_27: DSPIC.27 S2.3 | length 3
  Top Layer w0.254: DSPIC.27 v1(42.1,83.286)
  Bottom Layer w0.254: v1(42.1,83.286) S2.3@42.1,84.861
"NetFusible general_1": "Fusible general.1" ON/OFF.3 | length 23.3
  Top Layer w1.27: ON/OFF.3@113.045,36.322 118.145,36.322 127.889,36.322 130.505,33.706 130.505,28.981
"Netled debug 0_2": "led debug 0.2" R17.1 | length 2.2
  Bottom Layer w0.254: 54.023,75.184 R17.1@56.185,75.184
"Netled debug 1_2": "led debug 1.2" R18.1 | length 2.1
  Bottom Layer w0.254: 54.023,77.724 R18.1@56.109,77.724
NetPTB78560AAH(5V)_8: PTB78560AAH(5V).8 Rset1.2 | length 2.8
  Bottom Layer w0.254: 105.029,101.727 106.654,100.102 Rset1.2
NetPTB78560CH(10V)_8: PTB78560CH(10V).8 Rset2.2 | length 2.7
  Bottom Layer w0.254: 136.525,101.727 136.525,101.32 Rset2.2
NetRPi_1: RPi.1 S3.2 | length 7.9
  Bottom Layer w0.254: RPi.1 80.487,94.011 S3.2
OUT1: "fusible pic mother.1" "Power management USB.12" C11.2 D2.K | length 23.4
  Top Layer w0.254: 60.985,61.798 61.976,62.789 66.419,62.789 C11.2@66.75,63.12 ; C11.2 66.802,62.459 68.738,60.523 69.522,60.523 70.51,59.535 70.51,59.042
  Bottom Layer w0.254: D2.K 54.726,61.845 60.985,61.845 60.985,56.845
OUT2: "Power management USB.11" C12.2 P4.1 | length 47.2
  Top Layer w0.254: C12.2 70.257,61.392 ; v1(69.535,61.539) 69.682,61.392 70.257,61.392 ; 71.78,59.042 71.78,59.869 70.257,61.392
  Bottom Layer w0.254: v1@69.52,61.503 69.52,55.191 72.615,52.095 90.399,52.095 95.402,57.099 P4.1 P4.1@101.194,57.094 ; v1(69.535,61.539) v1@69.571,61.503
OUT3: "Power management USB.10" C13.2 P5.1 | length 51.5
  Top Layer w0.254: C13.2 70.866,62.484 v1@71.958,61.392 ; v1(71.501,61.595) 71.501,61.585 71.694,61.392 v1@71.958,61.392 ; 73.05,59.042 73.05,60.3 v1@71.958,61.392
  Bottom Layer w0.254: v1(71.501,61.595) 71.501,61.585 v1@71.526,61.56 ; v1@71.679,61.407 v1@71.526,61.56 ; P5.1 86.086,76.2 79.335,76.2 72.034,68.899 72.034,62.068 v1@71.526,61.56
OUT4: "Power management USB.9" C14.2 P6.1 | length 53.4
  Top Layer w0.254: C14.2 v1@72.898,61.722 ; v1(73.05,61.736) 73.036,61.722 v1@72.898,61.722 ; 74.32,59.042 74.32,60.3 v1@72.898,61.722
  Bottom Layer w0.254: v1(73.05,61.736) 73.05,61.671 70.028,58.649 70.028,55.401 72.826,52.603 79.604,52.603 101.199,74.199 P6.1
OVRCUR1: "Hub USB.10" "Power management USB.5" | length 40.5
  Top Layer w0.254: 70.51,54.242 70.587,54.166 70.587,53.365 71.191,52.761 75.113,52.761 v1(75.971,53.619) ; 77.887,77.96 78.682,77.96 79.654,76.987 79.654,75.235 v1(79.731,75.159)
  Bottom Layer w0.254: v1(75.971,53.619) 72.528,53.619 70.536,55.612 70.536,56.453 74.066,59.984 74.066,66.588 76.987,69.509 76.987,72.404 79.731,75.148 v1(79.731,75.159)
OVRCUR2: "Hub USB.14" "Power management USB.6" | length 25.1
  Top Layer w0.254: v1(71.552,56.032) 71.653,56.134 71.653,54.369 ; 77.887,74.762 78.679,74.762 79.502,73.939 79.502,73.635 v1(79.578,73.558)
  Bottom Layer w0.254: v1(71.552,56.032) 71.552,56.49 74.574,59.512 74.574,66.377 77.495,69.298 77.495,71.476 v1(79.578,73.558)
OVRCUR3: "Hub USB.18" "Power management USB.7" | length 20.5
  Top Layer w0.254: 73.076,54.267 v1(73.076,56.032) ; v1(78.511,69.596) 79.987,71.072 79.987,71.862
  Bottom Layer w0.254: v1(73.076,56.032) 73.076,56.286 75.082,58.293 75.082,66.167 v1(78.511,69.596)
OVRCUR4: "Hub USB.22" "Power management USB.8" | length 22
  Top Layer w0.254: 74.32,54.356 75.184,54.356 77.373,56.545 77.389,56.545 83.515,62.671 83.515,70.742 83.185,71.073 83.185,71.862
PGEC: DSPIC.22 P1.5 | length 52.8
  Top Layer w0.254: P1.5@32.156,44.933 40.691,44.933 52.68,56.921 52.68,77.3 49.78,80.2 DSPIC.22
PGED: DSPIC.21 P1.4 | length 59.5
  Top Layer w0.254: P1.4 38.895,42.418 53.188,56.711 53.188,77.51 49.867,80.831 46.064,80.831 45.694,80.461 45.694,79.939 46.233,79.4 DSPIC.21 46.975,79.375 DSPIC.21@47.643,79.375
PWRON1: "Hub USB.9" "Power management USB.1" | length 73.8
  Top Layer w0.254: 65.43,54.242 65.43,53.442 66.65,52.222 81.255,52.222 ; 77.887,78.76 77.887,83.251 81.631,86.995 88.702,86.995 91.096,84.601 91.096,62.027 81.273,52.204
PWRON2: "Hub USB.13" "Power management USB.2" | length 43.1
  Top Layer w0.254: 66.751,54.966 65.994,55.723 64.791,55.723 63.322,54.254 59.817,54.254 58.191,55.88 58.191,64.541 65.951,72.301 71.947,72.301 75.262,75.616 77.833,75.616 77.887,75.562
PWRON3: "Hub USB.17" "Power management USB.3" | length 25.6
  Top Layer w0.254: 67.97,54.242 67.97,54.915 70.617,57.561 74.602,57.561 75.095,58.053 75.095,68.472 78.485,71.862 79.187,71.862 79.187,71.288
PWRON4: "Hub USB.21" "Power management USB.4" | length 27.3
  Top Layer w0.254: 69.24,54.242 69.24,55.466 70.827,57.053 77.179,57.053 83.007,62.882 83.007,70.45 82.385,71.073 82.385,71.862
RTS: DSPIC.23 FTDI.11 | length 10.2
  Top Layer w0.254: DSPIC.23 FTDI.11
RX: DSPIC.26 FTDI.1 spy.2 | length 15.4
  Top Layer w0.254: DSPIC.26 42.961,81.911 42.961,82.662 44.45,84.15 47.93,84.15 spy.2 ; spy.2@52.129,88.35 FTDI.1
RXLED: D3.2 FTDI.23 | length 4.5
  Top Layer w0.254: FTDI.23 63.662,85.1 v1(64.668,86.106)
  Bottom Layer w0.254: v1(64.668,86.106) D3.2@66.525,86.106
"START LAISSE": "start laisse.1" DSPIC.15 | length 4
  Top Layer w0.254: DSPIC.15@47.719,74.549 49.555,72.712 49.555,71.272
SWITCH1: DSPIC.10 switch1.1 | length 112.3
  Top Layer w0.254: DSPIC.10 44.5,64.345 29.439,49.283 29.439,33.985 36.841,26.583 87.038,26.583 ; 87.038,26.583 89.677,29.222 switch1.1@94.777,29.222
SWITCH2: DSPIC.11 switch2.1 | length 87.9
  Top Layer w0.254: DSPIC.11 45.3,64.427 29.972,49.098 29.972,34.225 37.106,27.091 64.178,27.091 66.309,29.222 switch2.1@71.409,29.222
SWITCH3: DSPIC.14 switch3.1 | length 68.3
  Top Layer w0.254: DSPIC.14 47.034,73.716 47.833,73.716 48.285,73.264 48.285,65.333 47.151,64.199 45.791,64.199 30.48,48.888 30.48,34.436 35.694,29.222 42.941,29.222 switch3.1@48.041,29.222
TX: DSPIC.25 FTDI.5 spy.1 | length 13.6
  Top Layer w0.254: DSPIC.25 43.7,82.588 44.755,83.642 49.962,83.642 spy.1 ; spy.1@52.069,85.75 FTDI.5
TXLED: D4.2 FTDI.22 | length 4.7
  Top Layer w0.254: FTDI.22 64.47,84.45 v1(64.618,84.303)
  Bottom Layer w0.254: v1(64.618,84.303) 64.541,84.226 65.329,83.439 D4.2
pads on no net: "Hub USB.5" "Hub USB.27" "Hub USB.29" "Hub USB.30" "Hub USB.32" "Régulateur linéaire 3V3." DSPIC.2 DSPIC.3 DSPIC.4 DSPIC.12 DSPIC.13 DSPIC.31 DSPIC.32 DSPIC.34 DSPIC.35 DSPIC.36 DSPIC.37 DSPIC.38 FTDI.2 FTDI.3 FTDI.8 FTDI.9 FTDI.10 FTDI.14 FTDI.19 FTDI.24 FTDI.27 FTDI.28 HOLE1.1 HOLE2.1 HOLE3.1 HOLE4.1 ON/OFF.2 P1.6 PTB78560AAH(5V).2 PTB78560AAH(5V).5 PTB78560AAH(5V).11 PTB78560CH(10V).2 PTB78560CH(10V).5 PTB78560CH(10V).11 RPi.MH1 RPi.MH2 S1.4 S1.5 S1.6 S2.1 S2.4 S3.3 S3.4 S3.5 S3.6 switch1.2 switch2.2 switch3.2

## Polygon pours and split planes (outlines as drawn)
GND on Bottom Layer "Bottom Layer-No Net" (solid, pour order 2): 25.4,105.385 25.4,25.4 164.998,25.4 164.998,105.385 25.4,105.385
GND on Top Layer "Bottom Layer-No Net" (solid, pour order 4): 25.4,105.385 164.846,105.385 164.846,25.4 25.4,25.4 25.4,105.385

## Silkscreen, mask and mechanical layers (free items; w line width, h text height)
Mechanical 1:
  lines w0.254: 25.4,25.4 25.4,105.385 164.922,105.385 164.922,25.4 25.4,25.4

## Dimensions
164.922,105.385 to 25.4,105.385 on Mechanical 13
164.922,25.4 to 164.922,105.385 on Mechanical 13

## Text inside footprints (layer, text, board x,y; h text height)
RPi: Mechanical 1 "PCB Edge" at 71.815,104.613 h0.25 r180
S1: Bottom Overlay "1" at 51.664,58.547 h1 r90; Bottom Overlay "0" at 51.714,67.513 h1 r90
S3: Bottom Overlay "1" at 90.717,90.671 h1 r180; Bottom Overlay "0" at 78.967,90.671 h1 r180